# Altium PCB LimeSDR-X3_1v2.PcbDoc (part 22 of 25)
Units mm, origin at the board's own origin, x right, y up, seen from the top; angles counter-clockwise.
Board outline 232.5 x 111.15 mm, 12 copper layers (Top, L2, L3, L4, L5, L6, L7, L8, L9, L10, L11, Bottom), stack 1.596 mm thick; 2084 components, 1388 nets, 8919 pads, 3667 vias.
Unrouted connection lines stored in the file: 1.
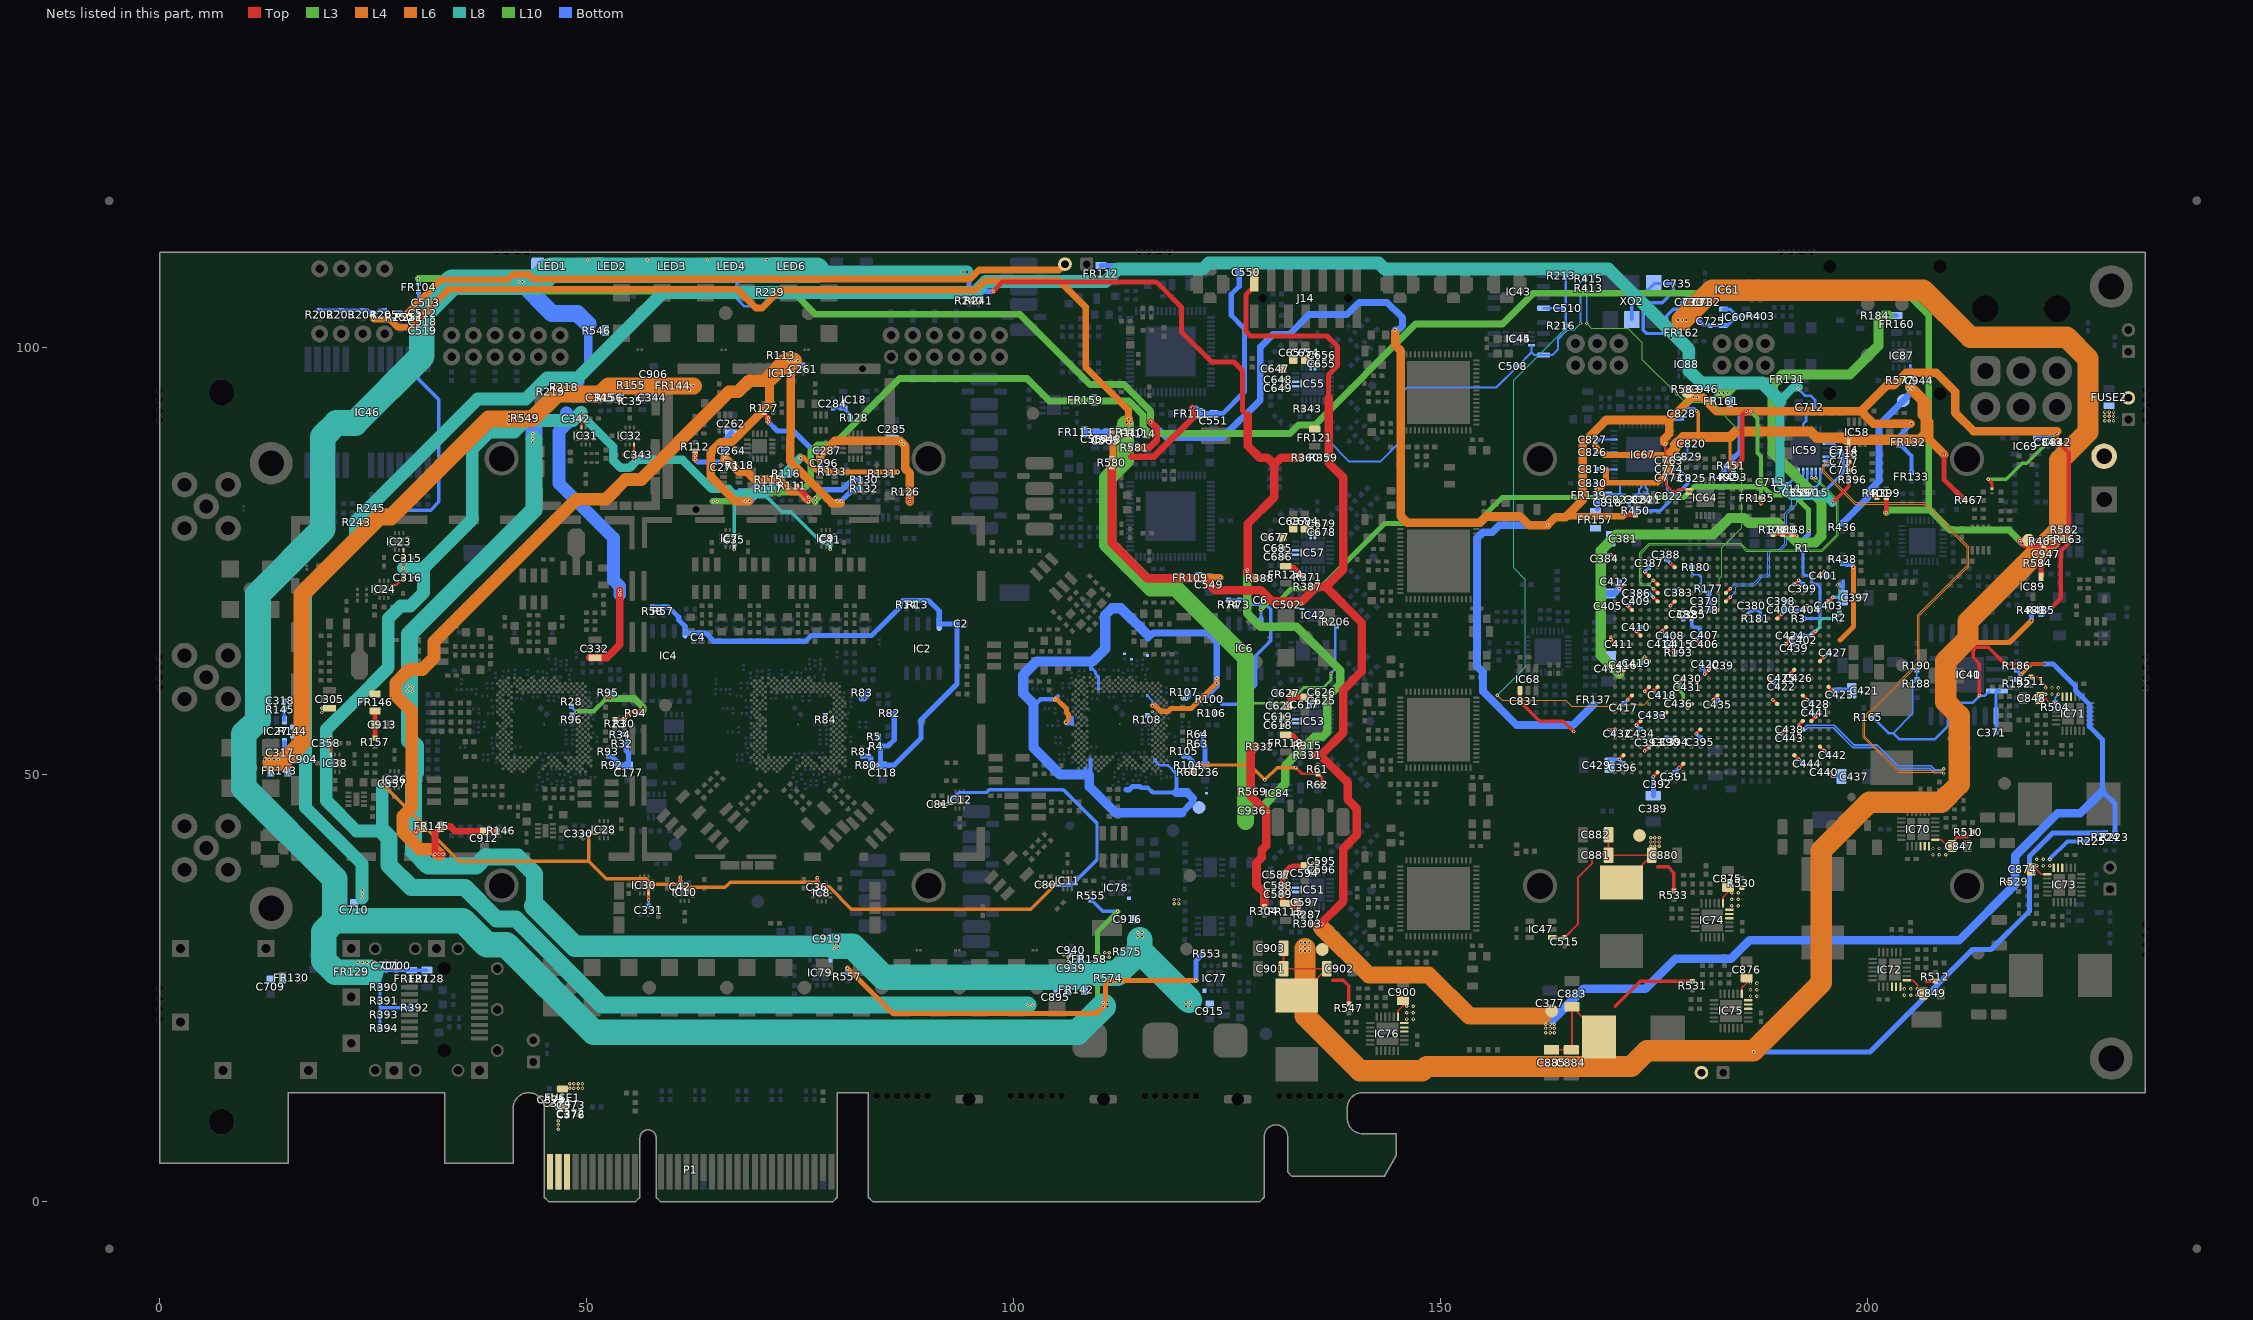
[diagram p32: the nets of this part, all layers, seen from the top]

## Via types
v1: diameter 0.4, hole 0.2, Top to Bottom, tented both sides, 3084 vias
v2: diameter 0.35, hole 0.2, Top to Bottom, tented both sides, 272 vias
v3: diameter 0.5, hole 0.2, Top to Bottom, tented bottom, 196 vias
v4: diameter 0.5, hole 0.2, Top to Bottom, tented both sides, 102 vias
v5: diameter 0.8, hole 0.4, Top to Bottom, tented both sides, 12 vias
v6: diameter 0.6, hole 0.3, Top to Bottom, tented both sides, 1 vias

## Nets (pads, with @x,y where several pads share a name; then routed paths per layer and width w, separated by ;. In a path a pad name is that pad's centre, name@x,y a point inside that pad or via, vN(x,y) a via of type N, cw(c..) or ccw(c..) an arc to the next point about the centre after c; other vN are vias at no path point) (continued)
VCC1P25_LMS3: C936.2 FR67.2 FR68.2 FR69.2 FR70.2 FR71.2 FR72.2 FR73.2 FR74.2 FR75.2 FR76.2 FR77.2 FR78.2 FR79.2 FR80.2 FR81.2 FR82.2 FR83.2 IC84.1 R100.1 R569.2 TP21.1 | length 108.6
  L4 w0.6: v1(104.787,58.829) 105.021,58.829 106.15,57.7 106.15,57.273 106.4,57.023 106.4,56.406 v1(106.087,56.094) ; v2(116.212,58.076) 116.549,58.076 117.2,57.425 118.1,57.425 118.4,57.725 120.756,57.725 v1(123.756,60.725) v1(123.756,61.275)
  Bottom w0.2: FR77.2@114.587,48.771 FR77.2@114.6,48.759
  Bottom w0.25: FR80.2@115.603,59.262 116.212,58.652 v2(116.212,58.076)
  Bottom w0.3: FR79.2@116.517,51.601 116.796,51.322 116.796,51.316 116.943,51.17 116.949,51.17 117.034,51.085 118.07,51.085 118.681,50.473 ; C936.2@127.93,46.286 128.936,46.286 129.3,46.65 129.3,46.85 IC84.1@129.5,46.85
  Bottom w0.35: FR83.2@109.021,62.34 109.232,62.34 109.537,62.035 109.537,61.81 109.887,61.46 FR70.2@109.887,60.056
  Bottom w0.45: 108.381,50.43 FR74.2@108.381,50.713 ; 108.962,50.123 FR73.2@108.962,51.771
  Bottom w0.5: 102.293,58.018 103.104,58.829 v1(104.787,58.829) FR71.2@105.081,59.123 ; v1(106.087,56.094) 106.162,56.019 FR72.2@106.765,56.019 ; FR72.2@106.765,56.094 FR68.2@106.765,56.6 FR68.2@106.765,56.675 ; FR83.2@109.021,62.415 109.021,63.075 ; FR77.2@114.734,48.6 114.885,48.448 115.706,48.448 116.25,47.904 119.031,47.904 119.031,50.123 118.681,50.473
  Bottom w0.6: 113.156,48.223 113.512,48.223 113.889,48.6 114.587,48.6 FR77.2@114.734,48.6
  Bottom w0.8: 115.699,65.975 116.324,66.6 122.675,66.6 123.756,65.519 v1(123.756,61.275) v1(123.756,60.725) 123.756,60.492 122.946,59.682 R100.1@122.946,59.31 ; 119.648,45.523 120.925,46.8
  Bottom w1: 119.031,47.904 120.271,47.904 120.925,47.25
  Bottom w1.1: 108.806,49.973 108.806,48.594 111.877,45.523 119.648,45.523
  Bottom w1.2: 102.293,58.018 102.293,53.132 105.421,50.004 108.606,50.004 ; 102.293,58.307 101.1,59.5 101.1,61.675 102.681,63.256 109.206,63.256 110.7,64.75 110.7,68.69 111.485,69.475 112.52,69.475 115.47,66.525
VCC2P5: C381.2 C382.2 C383.1 C384.1 C385.1 C386.1 C387.1 C388.1 C389.2 C390.2 C391.1 C392.1 C393.1 C394.1 C395.1 C396.1 C405.2 C406.2 C407.1 C408.1 C409.1 C410.1 C411.1 C412.1 C421.2 C422.2 C423.1 C424.1 C425.1 C426.1 C427.1 C428.1 C429.2 C430.2 C431.1 C432.1 C433.1 C434.1 C435.1 C436.1 C437.2 C438.2 C439.1 C440.1 C441.1 C442.1 C443.1 C444.1 C515.2 C880.2 C881.2 C882.2 FR157.1 FR159.1 IC39.A1 IC39.A21 IC39.AA21 IC39.AB18 IC39.AC25 IC39.AD22 IC39.AE19 IC39.AF26 IC39.B18 IC39.C5 IC39.C25 IC39.D2 IC39.D22 IC39.E19 IC39.F6 IC39.F16 IC39.F26 IC39.G3 IC39.G23 IC39.H20 IC39.J7 IC39.J17 IC39.K4 IC39.K14 IC39.L1 IC39.M8 IC39.M18 IC39.N5 IC39.P2 IC39.T6 IC39.T16 IC39.T26 IC39.U23 IC39.V20 IC39.W17 IC39.Y24 IC47.1 L14.2 R202.1 R203.1 R204.1 R205.1 R206.2 R438.2 R533.2 R575.2 TP11.1 | length 296.6
  Top w0.2: C882.2@169.626,42.954 169.626,40.696 C881.2@169.626,40.554 C880.2@174.676,40.554 171.501,37.379 L14.2@171.151,37.379
  Top w0.24: IC47.1@163.022,30.922 164.472,30.922 C515.2@164.475,30.925 166.025,32.475 166.025,37.925 167.675,39.575 167.675,40.15 168.221,40.696 C881.2@169.626,40.696
  Top w0.4: v1(169.668,55.275) IC39.F26@170.375,55.275 ; v1(169.875,65.775) IC39.T26@170.375,65.275 ; v1(169.875,75.775) IC39.AF26@170.375,75.275 ; v1(170.875,51.775) IC39.C25@171.375,52.275 ; v1(170.875,71.775) IC39.AC25@171.375,72.275 ; v1(171.875,69.775) IC39.Y24@172.375,69.275 ; v1(172.875,55.775) IC39.G23@173.375,56.275 ; v1(172.875,66.775) IC39.U23@173.375,66.275 ; v1(173.875,52.775) IC39.D22@174.375,53.275 ; v1(173.875,73.775) IC39.AD22@174.375,73.275 ; v1(174.875,49.775) IC39.A21@175.375,50.275 ; v1(174.875,70.775) IC39.AA21@175.375,70.275 ; 175.401,39.204 176.601,39.204 177.274,38.532 177.274,36.395 R533.2@177.274,36.389 R533.2@177.274,36.382 ; v1(175.875,56.775) IC39.H20@176.375,57.275 ; v1(175.875,66.775) IC39.V20@176.375,67.275 ; v1(176.875,74.775) IC39.AE19@177.375,74.275 ; IC39.E19@177.375,54.275 v1(177.875,53.775) ; v1(177.875,50.775) IC39.B18@178.375,51.275 ; v1(177.875,60.775) IC39.M18@178.375,61.275 ; v1(177.875,71.775) IC39.AB18@178.375,71.275 ; v1(178.875,57.775) IC39.J17@179.375,58.275 ; v1(178.875,68.775) IC39.W17@179.375,68.275 ; v1(179.875,54.775) IC39.F16@180.375,55.275 ; v1(179.875,65.775) IC39.T16@180.375,65.275 ; v1(181.875,58.775) IC39.K14@182.375,59.275 ; IC39.M8@188.375,61.275 v1(188.875,60.775) ; v1(188.875,58.775) IC39.J7@189.375,58.275 ; v1(189.875,54.775) IC39.F6@190.375,55.275 ; IC39.T6@190.375,65.275 v1(190.875,65.775) ; v1(190.875,61.775) IC39.N5@191.375,62.275 ; IC39.C5@191.375,52.275 v1(191.875,51.775) ; IC39.K4@192.375,59.275 v1(192.875,58.775) ; IC39.G3@193.375,56.275 v1(193.875,56.775) ; IC39.D2@194.375,53.275 v1(194.875,52.775) ; IC39.P2@194.375,63.275 v1(194.875,63.775) ; IC39.A1@195.375,50.275 v1@195.875,49.775 ; IC39.L1@195.375,60.275 v1(195.875,59.775)
  L3 w0.4: v1(177.875,60.775) 177.875,59.9 178.375,59.4 178.375,58.275 v1(178.875,57.775)
  L4 w0.8: v1(25.04,103.325) 26.9,103.325 27.85,102.375 29.325,102.375 33.775,106.825 67.625,106.825 69.8,104.65 70.525,104.65 72.625,106.75 95.525,106.75 96.6,107.825 105.325,107.825 108.4,104.75 108.4,97.7 113.425,92.675 v1(113.425,91.65)
  L4 w1: 113.425,91.325 v1(113.425,91.65)
  L10 w0.3: 127.75,58.353 132.093,58.353 133.94,60.2 136.225,60.2 137.125,61.1 v1(137.125,61.875)
  L10 w2: 113.05,91.05 113.05,86.8 110.95,84.7 110.95,76.975 116.075,71.85 118.925,71.85 127.1,63.675 127.1,44.5
  L6 w0.4: v1(169.875,65.775) 169.875,66.175
  L6 w0.6: 196.75,65.775 198.3,67.325 v1(198.3,74.275)
  Bottom w0.3: v1(137.125,61.875) 137.625,62.375 137.625,67.275 R206.2@137.75,67.4
  Bottom w0.4: R202.1@18.69,104.365 R204.1@23.77,104.365 24.405,104.365 25.04,103.73 25.675,104.365 R205.1@26.31,104.365 ; C384.1@169.175,75.775 v1(169.875,75.775) ; v1(169.668,55.275) 169.7,55.275 C432.1@170.2,54.775 ; C429.2@169.725,51.775 v1(170.875,51.775) 170.875,51.75 C396.1@171.35,51.275 ; v1(169.875,65.775) C411.1@170.375,65.275 ; v1(170.875,71.775) C412.1@170.875,72.6 ; v1(171.875,69.775) 172.375,70.275 C409.1@172.375,70.3 ; v1(172.875,55.775) C434.1@173.375,55.275 ; v1(172.875,66.775) C410.1@173.375,67.275 ; C386.1@173.4,71.275 174.375,71.275 v1(174.875,70.775) ; v1(173.875,52.775) C393.1@174.325,53.225 ; v1(173.875,73.775) C387.1@174.375,74.275 ; C392.1@174.875,48.884 v1(174.875,49.775) ; C433.1@175.275,56.925 175.725,56.925 v1(175.875,56.775) ; v1(175.875,66.775) C408.1@176.375,66.275 ; C390.2@176.4,54.275 176.4,54.25 176.425,54.275 177.375,54.275 v1(177.875,53.775) ; C388.1@176.4,75.25 v1(176.875,74.775) ; C391.1@177.375,50.275 v1(177.875,50.775) ; C383.1@177.375,71.25 177.375,71.275 v1(177.875,71.775) ; C436.1@178.375,58.275 v1(178.875,57.775) ; C431.1@178.375,60.25 178.375,60.275 v1(177.875,60.775) 177.9,60.775 C430.2@178.375,61.25 ; C382.2@178.375,68.25 v1@178.875,68.75 ; v1(178.875,68.775) v1@178.875,68.75 ; v1(179.875,54.775) C395.1@180.35,54.3 ; C406.2@180.375,65.275 v1(179.875,65.775) 179.875,65.8 C407.1@180.375,66.3 180.375,66.982 180.082,67.275 179.668,67.275 179.375,67.568 C385.1@179.375,68.225 178.875,68.725 v1@178.875,68.75 ; v1(181.875,58.775) 182.325,58.775 C435.1@182.425,58.675 ; C422.2@189.4,60.275 188.9,60.775 v1(188.875,60.775) 189.375,61.275 C425.1@189.4,61.275 ; C443.1@190.325,54.325 v1(189.875,54.775) C438.2@190.325,55.225 ; v1(190.875,61.775) C426.1@191.375,61.275 ; C439.1@191.375,65.275 v1(190.875,65.775) C424.1@191.375,66.275 ; v1(191.875,51.775) C444.1@192.375,51.275 ; v1(192.875,58.775) C428.1@193.4,58.25 ; C441.1@193.4,57.25 v1(193.875,56.775) ; v1(194.875,52.775) C442.1@195.375,52.275 ; v1(194.875,63.775) C427.1@195.375,64.275 ; C440.1@195.375,50.275 v1(195.875,49.775) C437.2@196.9,49.775
  Bottom w0.6: v1(25.04,103.325) 25.04,103.73 ; C389.2@174.875,47.525 C392.1@174.875,48.884 ; v1(195.875,59.775) 195.975,59.875 C423.1@196.675,59.875 198.05,59.875 C421.2@198.1,59.825 ; R438.2@197.05,74.725 197.4,74.725 197.5,74.625 198.175,74.625
  Bottom w0.8: C405.2@169.575,71.2 170.3,71.2 v1(170.875,71.775)
  other v1: 118.775,34.875 119.275,34.875 118.775,35.375 119.275,35.375 174.551,41.605 175.051,41.605 175.551,41.605 174.551,42.105 175.051,42.105 175.551,42.105 174.551,42.604 175.051,42.604 175.551,42.604 113.175,91.225 113.675,91.225
VCC2P5_CLK: C818.1 C819.1 C820.1 C821.2 C822.2 C823.2 C824.2 C825.2 C826.2 C827.2 C828.2 C829.2 C830.2 C944.2 FR139.1 FR157.2 IC67.7 IC67.10 IC67.13 IC67.18 IC67.19 IC67.24 IC67.27 IC67.30 IC67.31 IC67.34 IC67.48 IC87.1 R401.2 R436.1 R467.2 R493.2 R577.2 TP24.1 | length 152.5
  Top w0.4: v1(200.025,83.075) 200.55,82.55 200.95,82.55 R401.2@201.05,82.45
  Top w0.6: v1(208.925,87.475) 208.925,84.525 R467.2@211.35,82.1
  L4 w1: 204.95,95.55 204.95,95.1 206.3,93.75 206.3,92.094 207.2,91.194 ; 207.2,91.325 207.2,91.194 ; v1(208.925,87.475) 207.2,89.2 207.2,91.194
  L6 w0.4: v1(179.925,92.612) 180.125,92.412 180.125,89.575 ; v1(183.85,85.55) 183.85,89.525
  L6 w0.7: v1(168.05,88.477) 169.077,87.45 176.725,87.45 176.725,85.55 175.35,84.175 169.311,84.175 ; v1(168.31,83.45) 168.586,83.45 169.311,84.175 ; v1(169.311,85.725) 169.311,84.175
  L6 w1.2: 176.725,87.45 177.45,88.175 177.45,88.625 178.35,89.525 183.85,89.525 184.5,90.175 193.3,90.175 194.025,89.45 197.198,89.45 197.448,89.2 206.05,89.2 206.775,89.925 206.775,93.6 204.95,95.425
  Bottom w0.25: C819.1@168.293,85.753 168.321,85.725 v1(169.311,85.725) IC67.27@170.3,85.725 ; IC67.30@170.3,87.225 IC67.31@170.3,87.725 168.296,87.725 C826.2@168.293,87.728 168.243,87.728 168.118,87.853 168.118,89.1 168.243,89.225 C827.2@168.293,89.225 IC67.34@170.3,89.225 ; IC67.24@170.95,84.075 170.95,82.699 170.952,82.697 170.955,82.694 C823.2@170.957,82.692 C823.2@170.96,82.689 ; C824.2@173.185,82.689 173.185,83.389 173.45,83.654 IC67.19@173.45,84.075 ; IC67.18@173.95,84.075 173.95,83.624 174.185,83.389 C821.2@174.185,82.689 ; IC67.13@176.45,84.075 176.45,83.374 C822.2@177.235,82.589 ; IC67.48@176.45,90.875 176.45,91.225 176.75,91.525 177.949,91.525 C828.2@178.199,91.775 178.75,92.326 178.75,92.675 178.975,92.9 179.662,92.9 v1@179.95,92.612 ; C820.1@178.874,88.725 178.874,87.65 C829.2@178.449,87.225 IC67.7@177.1,87.225 176.525,87.225 176.325,87.025 176.325,85.925 176.525,85.725 IC67.10@177.1,85.725 177.972,85.725 178.949,84.748 C825.2@178.949,84.725
  Bottom w0.3: IC87.1@204.936,97.695 204.936,97.495 205.136,97.495 205.5,97.131 C944.2@205.5,96.125
  Bottom w0.4: FR139.1@168.285,82.739 FR139.1@168.31,82.714 FR139.1@168.33,82.694 ; C823.2@170.952,82.697 171.528,82.697 172.06,82.164 ; C821.2@174.185,82.689 C824.2@173.185,82.689 172.585,82.689 172.06,82.164 ; C822.2@177.235,82.589 177.285,82.589 C822.2@177.337,82.537 ; C825.2@178.949,84.725 178.949,84.149 C822.2@177.337,82.537 ; 172.06,82.164 172.06,81.489 172.674,80.875 175.675,80.875 C822.2@177.337,82.537
  Bottom w0.6: FR139.1@168.285,82.739 C830.2@168.285,84.114 ; FR157.2@168.31,81.09 FR139.1@168.31,82.714 ; FR139.1@168.33,82.694 C818.1@169.56,82.694 C823.2@170.955,82.694
  Bottom w0.8: R436.1@197.05,79.475 200.025,82.45 v1(200.025,83.075) 201.313,84.362 201.313,90.963 TP24.1@204.15,93.8 204.95,94.6 204.95,95.175 204.95,95.35
  other v1: 204.7,95.175 205.2,95.175 204.7,95.675 205.2,95.675
VCC2P5_VREF: C947.2 FR163.2 IC89.1 R115.2 R130.2 R399.1 R463.1 R582.1 R584.1 TP26.1 | length 230.9
  Top w0.5: v1(202.15,80.675) R399.1@202.15,82.45
  Top w0.6: v1(217.752,77.398) v1(218.1,77.05) 218.302,76.848 R463.1@220.55,76.848 ; IC89.1@220.275,73.15 220.275,74.3 220.375,74.4 C947.2@220.375,75.8 220.375,76.673 R463.1@220.55,76.848 ; R582.1@222.525,78.675 FR163.2@222.525,77.575 221.798,76.848 R463.1@220.55,76.848
  L10 w0.8: v1(64.775,82) v1(65.25,82) 67.425,82 68.5,83.075 74.975,83.075 76.212,84.313 ; v1(76.725,81.925) 76.725,82.1 77.225,82.6 77.225,83.3 76.212,84.313 ; v1(202.15,80.675) 202.475,81 207.125,81 ; v1(218.1,77.05) v1(217.752,77.398) 216.5,78.65 209.6,78.65 207.25,81 207.125,81 ; 76.212,84.313 76.212,87.862 76.975,88.625 78.85,88.625 86.6,96.375 101.55,96.375 104.175,93.75 113.475,93.75 115.1,92.125 115.1,90.7 115.85,89.95 132.325,89.95 133.325,90.95 135.225,90.95 147.025,102.75 157.2,102.75 160.825,106.375 204.5,106.375 207.125,103.75 207.125,81
  Bottom w0.6: v1(64.775,82) v1(65.25,82) 66.625,82 67.875,83.25 69.255,83.25 70.559,84.554 R115.2@70.759,84.554 ; v1(76.725,81.925) 76.725,82.3 77.775,83.35 79.875,83.35 81.079,84.554 R130.2@81.985,84.554
  other v1: 76.725,82.4
VCC3P0_BATT: J20.2 R250.2 | length 81
  L4 w0.8: v1(28.6,103.625) 32.925,107.95 40.75,107.95 41.35,108.55 43.175,108.55 43.7,108.025 94.85,108.025 95.9,109.075 105.28,109.075 J20.2@105.98,109.775
  Bottom w0.5: R250.2@28.125,104.075 v1@28.55,103.65
VCC3P3: C371.1 C377.2 C378.2 C379.1 C380.1 C413.2 C414.2 C415.1 C416.1 C417.1 C418.1 C419.1 C420.1 C502.1 C508.1 C510.1 C700.2 C701.2 C831.2 C883.2 C884.2 C885.2 FR127.1 FR128.1 FR129.1 FR142.1 FR160.1 FR161.1 IC39.K24 IC39.L21 IC39.N15 IC39.N25 IC39.P22 IC39.R19 IC39.W11 IC39.Y14 IC40.8 IC41.2 IC42.8 IC43.8 IC44.8 IC45.8 IC68.1 J14.2 L15.2 LED1.3 LED2.3 LED3.3 LED4.3 LED6.3 R165.1 R168.1 R169.1 R170.1 R177.1 R180.1 R181.1 R184.1 R186.1 R188.1 R190.1 R192.1 R193.1 R213.1 R216.1 R218.2 R223.2 R239.1 R240.2 R303.2 R331.2 R359.2 R387.2 R390.1 R391.1 R392.1 R393.1 R394.1 R531.1 R546.2 R553.1 R555.1 R557.1 R574.2 R580.2 TP12.1 | length 899.7
  Top w0.2: C885.2@162.95,17.775 165.35,17.775 C883.2@165.35,22.825 168.525,19.65 L15.2@168.525,19.3
  Top w0.25: v1(133.65,70.025) 134.9,71.275 134.9,71.475 R387.2@134.9,72
  Top w0.4: IC68.1@159.25,59.85 159.25,58.567 C831.2@159.252,58.565 161.549,56.268 164.332,56.268 v1(165.55,55.05) ; 170.4,22.85 173.334,25.784 R531.1@179.473,25.784 ; v1(170.875,61.775) IC39.N25@171.375,62.275 ; v1(171.875,58.775) IC39.K24@172.375,59.275 ; v1(173.875,63.775) IC39.P22@174.375,63.275 ; v1(174.875,59.775) IC39.L21@175.375,60.275 ; v1(176.875,64.775) IC39.R19@177.375,64.275 ; v1(180.875,61.775) IC39.N15@181.375,62.275 ; v1(181.875,69.775) IC39.Y14@182.375,69.275 ; IC39.W11@185.375,68.275 v1(185.875,68.775) ; R170.1@188.9,78.15 R169.1@190,78.15 R168.1@191.1,78.15 191.1,78.1 191.225,77.975 v1(191.65,77.975) ; v1(213.05,59.225) 213.05,63 212.325,63.725 212.325,64.55 212.675,64.9 214.1,64.9 216.05,62.95 v1(220.675,62.95)
  Top w0.6: J14.2@128.15,107.925 128.15,107.15 127.15,106.15 127.15,101.9 127.675,101.375 136.65,101.375 137.85,100.175 137.85,97.85 136.85,96.85 136.85,94.15
  Top w1: R580.2@111.45,85.875 111.45,77.125 115.575,73 122.125,73 123.525,71.6 128.925,71.6 130.2,70.325 133.75,70.325 134.9,71.475 135.425,72 136.5,72 ; R331.2@135.025,52.25 135.9,52.25 ; v1(135.5,32.5) 135.9,32.5 138.55,35.15 138.55,41.325 140.15,42.925 140.15,46 139.1,47.05 139.1,49.05 135.9,52.25 ; 136.85,94.15 v1(136.85,89.075) 136.85,86.5 138.55,84.8 138.55,74.05 136.5,72 ; 135.9,52.25 138.55,54.9 138.55,59.925 140.7,62.075 140.7,67.8 136.5,72
  L8 w1.5: 77.65,108.85 v1(94,108.85) v1(94.5,108.85)
  L8 w3: 24.65,26.875 23.725,26.875 20.525,26.875 19.175,28.225 19.175,31.6 20.45,32.875 ; 45.612,108.988 44.3,107.675 42.463,107.675 42,107.675 34.225,107.675 30.65,104.1 30.65,98.975 22.85,91.175 20.675,91.175 19.075,89.575 19.075,78.725 11.475,71.125 11.475,56.4 9.825,54.75 9.825,48.45 20.45,37.825 20.45,32.875 ; 45.8,109.075 48.875,109.075 50.075,109.075 55.875,109.075 57.075,109.075 62.875,109.075 64.075,109.075 69.875,109.075 71.075,109.075 76.875,109.075 ; v1(110.45,22.85) 107.45,19.85 50.775,19.85 40.55,30.075 38.275,30.075 35.475,32.875 20.45,32.875
  L10 w0.4: 170.975,62 171.725,62.75 172.85,62.75 v1(173.875,63.775)
  L10 w0.6: 110.8,23 v1(110.45,23.35) 109.8,24 109.8,31.637 v1(112.15,33.987)
  L10 w1.2: v1(170.875,61.775) 168.7,63.95 168.7,76.225 170.6,78.125 181.875,78.125 183.8,80.05 185.5,80.05 186.05,79.5 189.375,79.5 191.7,77.175 193.825,77.175 194.55,77.9 194.55,81.975 188.85,87.675 188.85,95.725 ; v1(182.575,94.675) v1(183.075,94.675) 183.375,94.675 184.575,95.875 188.85,95.875 188.85,95.725 ; v1(202.412,103.75) v1(201.9,103.75) 201.225,103.075 201.225,100.2 197.875,96.85 189.975,96.85 188.85,95.725
  L6 w0.4: v1(217.925,61.7) 219.175,62.95 v1(220.675,62.95)
  L6 w0.6: v1(80.5,27.325) 85.8,22.025 109.65,22.025 110.713,23.088 110.713,25.338 111.275,25.9 v1(121.3,25.9)
  L6 w2: 136.025,32.075 141.575,26.525 148.55,26.525 153.325,21.75 161.925,21.75
  Bottom w0.15: R180.1@179.375,74.278 179.375,73.648 179.623,73.4 180.204,73.4 180.5,73.104 180.5,71.62 180.845,71.275 R177.1@181.375,71.275 ; 202.937,54.862 205.25,57.175 205.25,60.66 205.515,60.925 R188.1@205.74,61.15 R190.1@205.74,62.25
  Bottom w0.25: v1(136.85,89.075) 139.275,86.65 142.885,86.65 145.175,88.94 145.175,94.475 146.05,95.35 156.503,95.35 C508.1@158.989,97.836 160.612,99.459 160.612,99.46 ; IC44.8@160.612,100.25 160.612,99.46 ; IC43.8@162.018,104.615 C510.1@164.338,104.615 ; R213.1@164.613,108.425 164.613,104.89 C510.1@164.338,104.615 ; 160.612,99.46 160.957,99.115 IC45.8@162.018,99.115 163.015,99.115 163.7,99.8 163.7,101 164.613,101.913 R216.1@164.613,102.575 164.613,104.34 C510.1@164.338,104.615
  Bottom w0.3: v1(71.075,110.275) 71.075,109.65 69.625,108.2 68.325,108.2 67.475,107.35 67.475,105.814 68.464,104.825 70.296,104.825 R239.1@71.446,105.975 ; R165.1@200.525,56.725 202.4,54.85 202.95,54.85 203.675,54.125 207.775,54.125 209.35,55.7 209.35,58.125 209.625,58.4 212.225,58.4 v1(213.05,59.225) 213.675,59.225 IC40.8@214.225,59.775
  Bottom w0.4: R394.1@25.766,20.291 R393.1@25.766,21.891 25.766,22.597 ; 25.766,27.1 R390.1@25.766,25.091 25.766,22.597 ; 25.775,27.1 26.9,27.1 29.45,27.1 FR128.1@31.25,27.1 ; R392.1@29.382,22.691 25.86,22.691 25.766,22.597 ; LED1.3@44.225,109.625 44.775,110.175 v1(45.525,110.175) ; v1(50.075,110.275) 50.575,110.275 LED2.3@51.225,109.625 ; v1(57.075,110.275) LED3.3@58.225,110.275 ; v1(64.075,110.275) 64.575,110.275 LED4.3@65.225,109.625 ; v1(71.075,110.275) 71.575,110.275 LED6.3@72.225,109.625 ; R557.1@80.5,26.825 v1(80.5,27.325) ; R555.1@109.05,35.325 110.388,33.987 v1(112.15,33.987) ; v1(170.875,61.775) 171.35,62.25 C416.1@171.35,62.3 ; C417.1@171.4,58.3 v1(171.875,58.775) ; C419.1@173.4,63.05 173.875,63.525 v1(173.875,63.775) ; v1(174.875,59.775) C418.1@175.375,59.275 ; C414.2@176.375,65.275 v1(176.875,64.775) ; R193.1@177.375,64.275 v1(176.875,64.775) ; C415.1@177.375,65.275 v1(176.875,64.775) ; C420.1@180.621,62.496 180.875,62.243 v1(180.875,61.775) ; C378.2@181.375,69.225 181.375,69.275 v1(181.875,69.775) C379.1@181.375,70.275 R177.1@181.375,71.275 ; v1(185.875,68.775) C380.1@186.375,69.275 187.082,69.275 187.375,68.982 R181.1@187.375,68.275 ; C371.1@215.009,54.92 215.009,56.841 IC41.2@215,56.85 215,59.72 215.075,59.795 IC40.8@215.11,59.795 215.41,59.795 IC40.8@215.399,59.806 ; R192.1@217.41,61.15 217.925,61.665 v1(217.925,61.7) 217.925,61.735 R186.1@217.41,62.25
  Bottom w0.5: R184.1@201.349,103.75 v1(201.9,103.75) v1(202.412,103.75) FR160.1@203.375,103.75
  Bottom w0.6: v1(94,108.85) v1(94.5,108.85) 94.75,108.6 R240.2@94.75,105.975 ; v1(121.3,25.9) 121.3,28.175 R553.1@122.125,29 ; v1(220.675,62.95) 221.7,62.95 224.3,60.35 224.3,59.85 225.975,58.175 225.975,55.6 227.45,54.125 227.45,48.059 228.925,46.584 R223.2@228.925,43.175
  Bottom w1: 48.611,95.35 49.2,95.939 49.2,96.95 50.125,97.875 50.125,102.75 ; C377.2@163.1,21.3 166.725,24.925 173.95,24.925 177.439,28.414 183.939,28.414 186.15,30.625 210.719,30.625 217.25,37.156 217.25,40.5 222.2,45.45 224.841,45.45 227.45,48.059
  Bottom w2: 42.225,107.675 45.925,103.975 48.9,103.975 50.125,102.75
  other v1: 162.275,19.775 162.775,19.775 163.275,19.775 162.275,20.275 162.775,20.275 163.275,20.275 162.275,20.775 162.775,20.775 163.275,20.775 110.95,22.85 110.95,23.35 23.2,28.025 23.725,28.025 24.25,28.025 24.775,28.025 136.025,32.5 183.575,94.675 42,107.7 42.463,107.7
VCC3P3_BBDAC: C548.2 C549.2 C550.2 C551.2 C564.2 C565.2 FR109.1 FR110.1 FR111.1 FR112.1 FR113.1 FR114.1 R580.1 R581.1 | length 82.9
  Top w0.8: 113.75,87.225 116.397,87.225 120.9,91.728 v1(120.9,92.925)
  L6 w0.8: v1(111.59,90.102) 111.59,77.16 115.673,73.077 v1(124.152,73.077)
  Bottom w0.6: FR113.1@108.228,90.102 v1(111.59,90.102) FR110.1@112.227,90.102 ; FR112.1@110.175,109.625 125.6,109.625 C550.2@126.375,108.85 126.375,107.175 125.45,106.25 125.45,103.777 126.975,102.252 126.975,94.8 124.44,92.265 C551.2@123.4,92.265 122.01,92.265 121.35,92.925 v1(120.9,92.925) ; FR109.1@121.629,73.077 C549.2@122.854,73.077 v1(124.152,73.077)
VCC3P3_CLK: C763.2 C773.1 C774.1 C842.1 C843.2 C946.2 FR104.1 FR132.1 FR133.1 FR135.1 FR136.2 FR137.1 FR161.2 FR163.1 IC64.16 IC64.17 IC69.1 IC88.1 R450.2 R451.2 R485.1 R492.1 R581.2 R582.2 R583.2 TP25.1 | length 405.3